# KiCad board Voltage_Input_Module.kicad_pcb

Outline 133.35 x 57.15 mm; copper layers: Top, Bottom. Coordinates in mm from the lower left corner of the outline.
Outline path: circle c4.57,52.58 r1.75 ; circle c4.57,4.57 r1.75 ; circle c128.78,52.58 r1.75 ; circle c128.78,4.57 r1.75 ; 0,52.58 0,4.57 arc(1.34,1.34) 4.57,0 128.78,0 arc(132.01,1.34) 133.35,4.57 133.35,52.58 arc(132.01,55.81) 128.78,57.15 4.57,57.15 arc(1.34,55.81) 0,52.58

## Placement (name value [footprint] x y rotation side)
J1  -  [0039288060]  23.49 33.66 270 top
J2  -  [0039288060]  9.52 33.66 90 top
J3  -  [0039281023]  16.51 4.44 0 top
J4  -  [0039288060]  9.52 16.51 90 top
J5  -  [0039288060]  23.49 16.51 270 top
J6  -  [0039288060]  56.51 33.66 270 top
J7  -  [0039288060]  42.54 33.66 90 top
J8  -  [0039281023]  49.53 4.44 0 top
J9  -  [0039288060]  42.54 16.51 90 top
J10  -  [0039288060]  56.51 16.51 270 top
J11  182-037-213  [182-037-213R181]  65.53 52.07 0 top
J12  -  [0039288060]  89.53 33.66 270 top
J13  -  [0039288060]  75.56 33.66 90 top
J14  -  [0039281023]  82.55 4.44 0 top
J15  -  [0039288060]  75.56 16.51 90 top
J16  -  [0039288060]  89.53 16.51 270 top
J17  -  [0039288060]  122.56 33.66 270 top
J18  -  [0039288060]  108.59 33.66 90 top
J19  -  [0039281023]  115.57 4.44 0 top
J20  -  [0039288060]  108.59 16.51 90 top
J21  -  [0039288060]  122.56 16.51 270 top
LOGO  -  [LOGO]  8.13 52.07 0 top

## Footprints (pads in the part's own frame, mm; a bottom-side part is the same pattern mirrored in y, then rotated)
182-037-213R181
  round 3.048 hole 3.048 unplated: (-31.75,0) (31.75,0)
  round 2.184 hole 1.092: 1(-24.917,-1.422) 2(-22.149,-1.422) 3(-19.38,-1.422) 4(-16.612,-1.422) 5(-13.843,-1.422) 6(-11.074,-1.422) 7(-8.306,-1.422) 8(-5.537,-1.422) 9(-2.769,-1.422) 10(0,-1.422) 11(2.769,-1.422) 12(5.537,-1.422) 13(8.306,-1.422) 14(11.074,-1.422) 15(13.843,-1.422) 16(16.612,-1.422) 17(19.38,-1.422) 18(22.149,-1.422) 19(24.917,-1.422) 20(-23.533,1.422) 21(-20.765,1.422) 22(-17.996,1.422) 23(-15.227,1.422) 24(-12.459,1.422) 25(-9.69,1.422) 26(-6.921,1.422) 27(-4.153,1.422) 28(-1.384,1.422) 29(1.384,1.422) 30(4.153,1.422) 31(6.921,1.422) 32(9.69,1.422) 33(12.459,1.422) 34(15.227,1.422) 35(17.996,1.422) 36(20.765,1.422) 37(23.533,1.422)
0039281023
  round 2.794 hole 1.397: 1(-2.794,0) 2(2.794,0)
0039288060
  round 2.794 hole 1.397: 1(4.201,2.756) 2(4.201,-2.756) 3(0,-2.756) 4(-4.201,-2.756) 5(-4.201,2.756) 6(0,2.756)

## Nets
GND: J1.1 J2.1 J4.1 J5.1 J6.1 J7.1 J9.1 J10.1 J11.9 J11.10 J11.28 J11.29 J12.1 J13.1 J15.1 J16.1 J17.1 J18.1 J20.1 J21.1
Net-(J1-Pad2): J1.2 J2.2 J3.2 J4.2 J5.2
Net-(J1-Pad3): J1.3 J2.3 J3.1 J4.3 J5.3
Net-(J1-Pad4): J1.4 J11.21
Net-(J1-Pad5): J1.5 J11.2
Net-(J1-Pad6): J1.6
Net-(J2-Pad6): J2.6
Net-(J4-Pad6): J4.6
Net-(J5-Pad6): J5.6
Net-(J6-Pad6): J6.6
Net-(J7-Pad6): J7.6
Net-(J9-Pad6): J9.6
Net-(J10-Pad2): J6.2 J7.2 J8.2 J9.2 J10.2
Net-(J10-Pad3): J6.3 J7.3 J8.1 J9.3 J10.3
Net-(J10-Pad4): J10.4 J11.27
Net-(J10-Pad5): J10.5 J11.8
Net-(J10-Pad6): J10.6
Net-(J11-Pad1): J2.5 J11.1
Net-(J11-Pad3): J4.5 J11.3
Net-(J11-Pad4): J5.5 J11.4
Net-(J11-Pad5): J7.5 J11.5
Net-(J11-Pad6): J6.5 J11.6
Net-(J11-Pad7): J9.5 J11.7
Net-(J11-Pad11): J11.11 J13.5
Net-(J11-Pad12): J11.12 J12.5
Net-(J11-Pad13): J11.13 J15.5
Net-(J11-Pad14): J11.14 J16.5
Net-(J11-Pad15): J11.15 J18.5
Net-(J11-Pad16): J11.16 J17.5
Net-(J11-Pad17): J11.17 J20.5
Net-(J11-Pad18): J11.18 J21.5
Net-(J11-Pad19): J11.19
Net-(J11-Pad20): J2.4 J11.20
Net-(J11-Pad22): J4.4 J11.22
Net-(J11-Pad23): J5.4 J11.23
Net-(J11-Pad24): J7.4 J11.24
Net-(J11-Pad25): J6.4 J11.25
Net-(J11-Pad26): J9.4 J11.26
Net-(J11-Pad30): J11.30 J13.4
Net-(J11-Pad31): J11.31 J12.4
Net-(J11-Pad32): J11.32 J15.4
Net-(J11-Pad33): J11.33 J16.4
Net-(J11-Pad34): J11.34 J18.4
Net-(J11-Pad35): J11.35 J17.4
Net-(J11-Pad36): J11.36 J20.4
Net-(J11-Pad37): J11.37 J21.4
Net-(J12-Pad2): J12.2 J13.2 J14.2 J15.2 J16.2
Net-(J12-Pad3): J12.3 J13.3 J14.1 J15.3 J16.3
Net-(J12-Pad6): J12.6
Net-(J13-Pad6): J13.6
Net-(J15-Pad6): J15.6
Net-(J16-Pad6): J16.6
Net-(J17-Pad2): J17.2 J18.2 J19.2 J20.2 J21.2
Net-(J17-Pad3): J17.3 J18.3 J19.1 J20.3 J21.3
Net-(J17-Pad6): J17.6
Net-(J18-Pad6): J18.6
Net-(J20-Pad6): J20.6
Net-(J21-Pad6): J21.6

## Routing (per net, layer and track width the routed paths; a pad name or vN(x,y) marks a point on that pad's centre or on a via; arc(x,y) is an arc through that point)
Net-(J1-Pad2): length 54
  Bottom w0.762: J3.2 16.64,7.11 16.64,16.51 ; 16.64,16.51 16.64,33.27 ; 16.64,16.51 16.48,16.51 J4.2 ; 16.64,16.51 16.64,16.41 J5.2 ; 16.64,33.27 16.92,33.27 J1.2 ; 16.64,33.27 16.64,33.5 J2.2
Net-(J1-Pad3): length 47.4
  Top w0.762: J2.3 12.41,33.53 16.76,33.53 ; 16.76,16.51 16.76,7.49 J3.1 ; 16.76,16.51 J5.3 ; 16.76,16.51 J4.3 ; 16.76,16.51 16.76,33.53 ; 16.76,33.53 20.61,33.53 J1.3
Net-(J1-Pad4): length 31.3
  Bottom w0.254: J1.4 25.05,42.16 34.16,42.16 41.99,49.99 41.99,51.28 44.2,53.49 J11.21
Net-(J1-Pad5): length 22.4
  Top w0.254: J11.2 37.19,44.45 32.84,44.45 J1.5
Net-(J10-Pad2): length 54.7
  Bottom w0.762: 49.4,16.26 49.4,7.37 J8.2 ; 49.4,16.26 49.4,16.61 ; 49.4,16.26 49.4,33.75 ; 49.4,16.61 J9.2 ; 49.4,16.61 49.46,16.61 J10.2 ; J6.2 49.46,33.75 49.4,33.75 ; 49.4,33.75 J7.2
Net-(J10-Pad3): length 47.3
  Top w0.762: 49.53,16.51 J9.3 ; 49.53,16.51 49.53,33.53 ; 49.53,16.51 49.53,7.24 J8.1 ; 49.53,16.51 J10.3 ; 49.53,33.53 45.43,33.53 J7.3 ; 49.53,33.53 53.63,33.53 J6.3
Net-(J10-Pad4): length 46.9
  Bottom w0.254: J11.27 60.01,54.86 57.93,54.86 57.21,54.15 57.21,52.66 55.83,51.28 55.83,46.53 62.48,39.88 62.48,26.92 60.45,24.89 57.94,24.89 J10.4
Net-(J10-Pad5): length 41
  Top w0.254: J10.5 57.59,22.39 57.59,22.42 55.63,24.38 55.63,38.47 53.06,41.04 53.06,51.28 53.8,52.02 58.62,52.02 J11.8
Net-(J11-Pad1): length 50.4
  Top w0.254: J2.5 5.09,31.13 5.09,38.66 14.18,47.75 37.72,47.75 J11.1
Net-(J11-Pad3): length 83.3
  Top w0.254: J11.3 27.48,31.98 25.45,31.98 23.88,33.55 23.88,35.56 22.42,37.02 22.42,38.66 21.54,39.53 11.48,39.53 9.65,37.71 9.65,26.67 8.13,25.15 5.33,25.15 2.79,22.61 2.79,13.72 4.2,12.31 J4.5
Net-(J11-Pad4): length 39.3
  Top w0.254: J11.4 29.01,30.73 29.01,23.47 J5.5
Net-(J11-Pad5): length 26.1
  Top w0.254: J7.5 42.16,31.83 42.16,41.15 42.52,41.5 42.54,41.5 J11.5
Net-(J11-Pad6): length 14.8
  Top w0.254: J6.5 59.27,45.83 J11.6
Net-(J11-Pad7): length 73.8
  Top w0.254: J9.5 39.79,8.91 45.93,2.77 53.13,2.77 60.95,10.59 60.95,10.66 63.25,12.95 63.25,44.63 J11.7
Net-(J11-Pad11): length 24
  Top w0.254: J11.11 67.18,49.53 67.18,35.08 J13.5
Net-(J11-Pad12): length 28.9
  Top w0.254: J12.5 90.52,39.62 78.1,39.62 72.44,45.29 72.44,49.28 J11.12
Net-(J11-Pad13): length 47.4
  Top w0.254: J15.5 72.81,12.74 75.31,15.24 75.31,39.88 69.67,45.52 69.67,51.31 70.39,52.02 72.47,52.02 J11.13
Net-(J11-Pad14): length 51.1
  Top w0.254: J11.14 76.61,46.58 81.53,41.66 97.28,41.66 98.81,40.13 98.81,27.23 J16.5
Net-(J11-Pad15): length 42.1
  Top w0.254: J11.15 84.81,45.21 99.82,45.21 102.36,42.67 102.36,32.92 J18.5 104.66,29.45
Net-(J11-Pad16): length 51.1
  Top w0.254: J17.5 125.31,42.33 120.65,46.99 85.8,46.99 J11.16
Net-(J11-Pad17): length 67.5
  Top w0.254: J20.5 100.58,17.55 100.58,41.91 99.06,43.43 83.31,43.43 78,48.74 78,51.31 78.72,52.02 83.54,52.02 J11.17
Net-(J11-Pad18): length 69.1
  Top w0.254: J11.18 89.56,48.77 123.44,48.77 129.79,42.42 129.79,25.19 J21.5
Net-(J11-Pad20): length 53.4
  Bottom w0.254: J11.20 38.2,53.49 36.58,55.12 31.24,55.12 21.08,44.96 11.43,44.96 8.89,42.42 8.89,32.84 J2.4
Net-(J11-Pad22): length 85.3
  Bottom w0.254: J4.4 9.91,9.93 9.91,3.3 11.18,2.03 22.86,2.03 36.58,15.75 36.58,37.26 47.54,48.22 ; 47.54,48.22 47.54,48.08 ; 47.54,48.22 J11.22
Net-(J11-Pad23): length 51.6
  Bottom w0.254: J11.23 48.93,54.86 46.88,54.86 46.14,54.13 46.14,52.66 44.78,51.31 44.78,48.84 33.27,37.34 33.27,28.7 29.72,25.15 25.17,25.15 J5.4
Net-(J11-Pad24): length 31
  Bottom w0.254: J11.24 52.33,53.49 50.29,51.45 50.29,47.24 41.66,38.61 41.66,33.1 J7.4 45.09,29.67
Net-(J11-Pad25): length 17.4
  Bottom w0.254: J11.25 55.27,53.49 53.06,51.28 53.06,38.55 J6.4
Net-(J11-Pad26): length 74.1
  Bottom w0.254: J9.4 45.3,8.99 51.52,2.77 55.6,2.77 65.79,12.95 65.79,41.66 58.61,48.83 J11.26
Net-(J11-Pad30): length 39.4
  Bottom w0.254: J11.30 69.68,27.09 71.63,25.15 76.96,25.15 78.32,26.5 J13.4
Net-(J11-Pad31): length 22.8
  Bottom w0.254: J11.31 72.45,50 84.6,37.86 J12.4
Net-(J11-Pad32): length 83.6
  Bottom w0.254: J15.4 78.32,8.36 83.91,2.77 89.13,2.77 95.5,9.14 95.5,40.13 90.68,44.96 83.03,44.96 78,49.99 78,51.28 77.16,52.12 76.59,52.12 J11.32
Net-(J11-Pad33): length 50.7
  Bottom w0.254: J11.33 76.62,54.86 74.56,54.86 73.85,54.15 73.85,52.83 75.23,51.45 75.23,49.99 82.81,42.42 89.41,42.42 90.42,41.4 90.42,24.36 J16.4
Net-(J11-Pad34): length 52.5
  Bottom w0.254: J18.4 106.78,24.89 104.27,24.89 100.97,28.19 100.97,38.23 101.09,38.35 92.2,47.24 83.52,47.24 80.76,50 J11.34
Net-(J11-Pad35): length 42.7
  Bottom w0.254: J17.4 108.38,49.28 95.76,49.28 93.01,52.02 85,52.02 J11.35
Net-(J11-Pad36): length 76
  Bottom w0.254: J20.4 107.9,15.75 107.9,22.56 113.02,27.67 113.02,30.26 112.15,31.13 109.33,31.13 107.51,32.96 107.51,41.34 107.44,41.4 107.44,45.21 105.66,46.99 95.25,46.99 92.96,49.28 84.25,49.28 83.54,49.99 83.54,51.31 82.16,52.69 82.16,54.15 82.87,54.86 84.92,54.86 J11.36
Net-(J11-Pad37): length 74.4
  Bottom w0.254: J11.37 90.94,55.37 116.33,55.37 129.54,42.16 129.54,26.67 128.02,25.15 124.23,25.15 J21.4
Net-(J12-Pad2): length 54.5
  Bottom w0.762: 82.42,16.51 82.42,33.75 ; 82.42,16.51 82.42,16.61 J15.2 ; 82.42,16.51 82.42,7.37 J14.2 ; 82.42,16.51 82.58,16.51 J16.2 ; 82.42,33.75 J13.2 ; 82.42,33.75 82.48,33.75 J12.2
Net-(J12-Pad3): length 47.3
  Top w0.762: 82.55,16.51 J15.3 ; 82.55,16.51 82.55,33.53 ; 82.55,16.51 J16.3 ; 82.55,16.51 82.55,7.24 J14.1 ; 82.55,33.53 86.65,33.53 J12.3 ; 82.55,33.53 78.45,33.53 J13.3
Net-(J17-Pad2): length 54.5
  Bottom w0.762: J19.2 115.44,7.37 115.44,16.51 ; J20.2 115.44,16.61 115.44,16.51 ; 115.44,16.51 115.44,33.75 ; 115.44,16.51 115.6,16.51 J21.2 ; J18.2 115.44,33.75 ; 115.44,33.75 115.5,33.75 J17.2
Net-(J17-Pad3): length 47.3
  Top w0.762: J18.3 115.44,33.66 ; 115.44,33.66 J17.3 ; 115.44,33.66 115.57,33.53 115.57,16.51 ; J19.1 115.57,7.24 115.57,16.51 ; 115.57,16.51 J21.3 ; 115.57,16.51 J20.3

## Copper pours and planes (outline as drawn; the poured copper is in the pictures)
GND on Top: 135.38,-1.27 -2.03,-1.27 -2.03,59.69 135.38,59.69
GND on Bottom: 135.13,-1.27 -2.29,-1.27 -2.29,59.69 135.13,59.69

## Text on the board
F.SilkS: AI0 | AI2 | AI1 | AI3 | AI4 | AI6 | AI5 | AI7 | AI8 | AI10 | AI9 | AI11 | AI12 | AI14 | Missouri S&T Rocket Design Team / Voltage Input Module Rev. A / 8/29/2021 | AI13 | AI15
